# Altium PCB Pcb1.PcbDoc
Units mm, origin at the board's own origin, x right, y up, seen from the top; angles counter-clockwise.
Board outline 100 x 59 mm, 2 copper layers (Top Layer, Bottom Layer), stack 1.58 mm thick; 42 components, 56 nets, 197 pads, 11 vias.
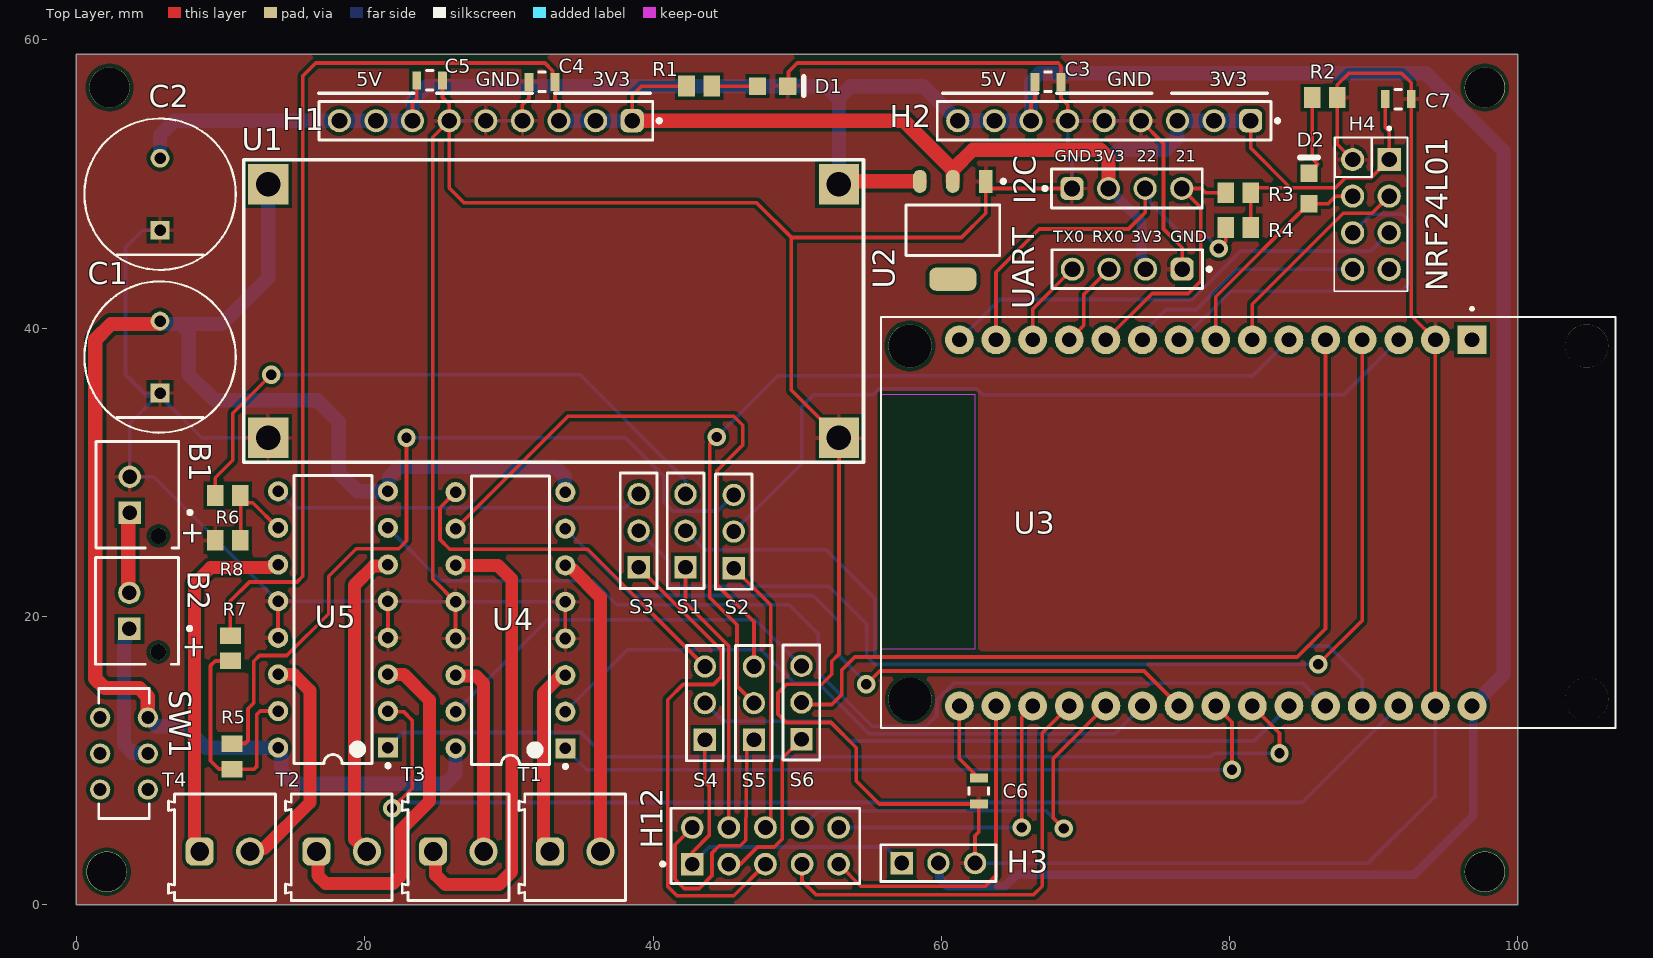
[diagram p0: Top Layer view]
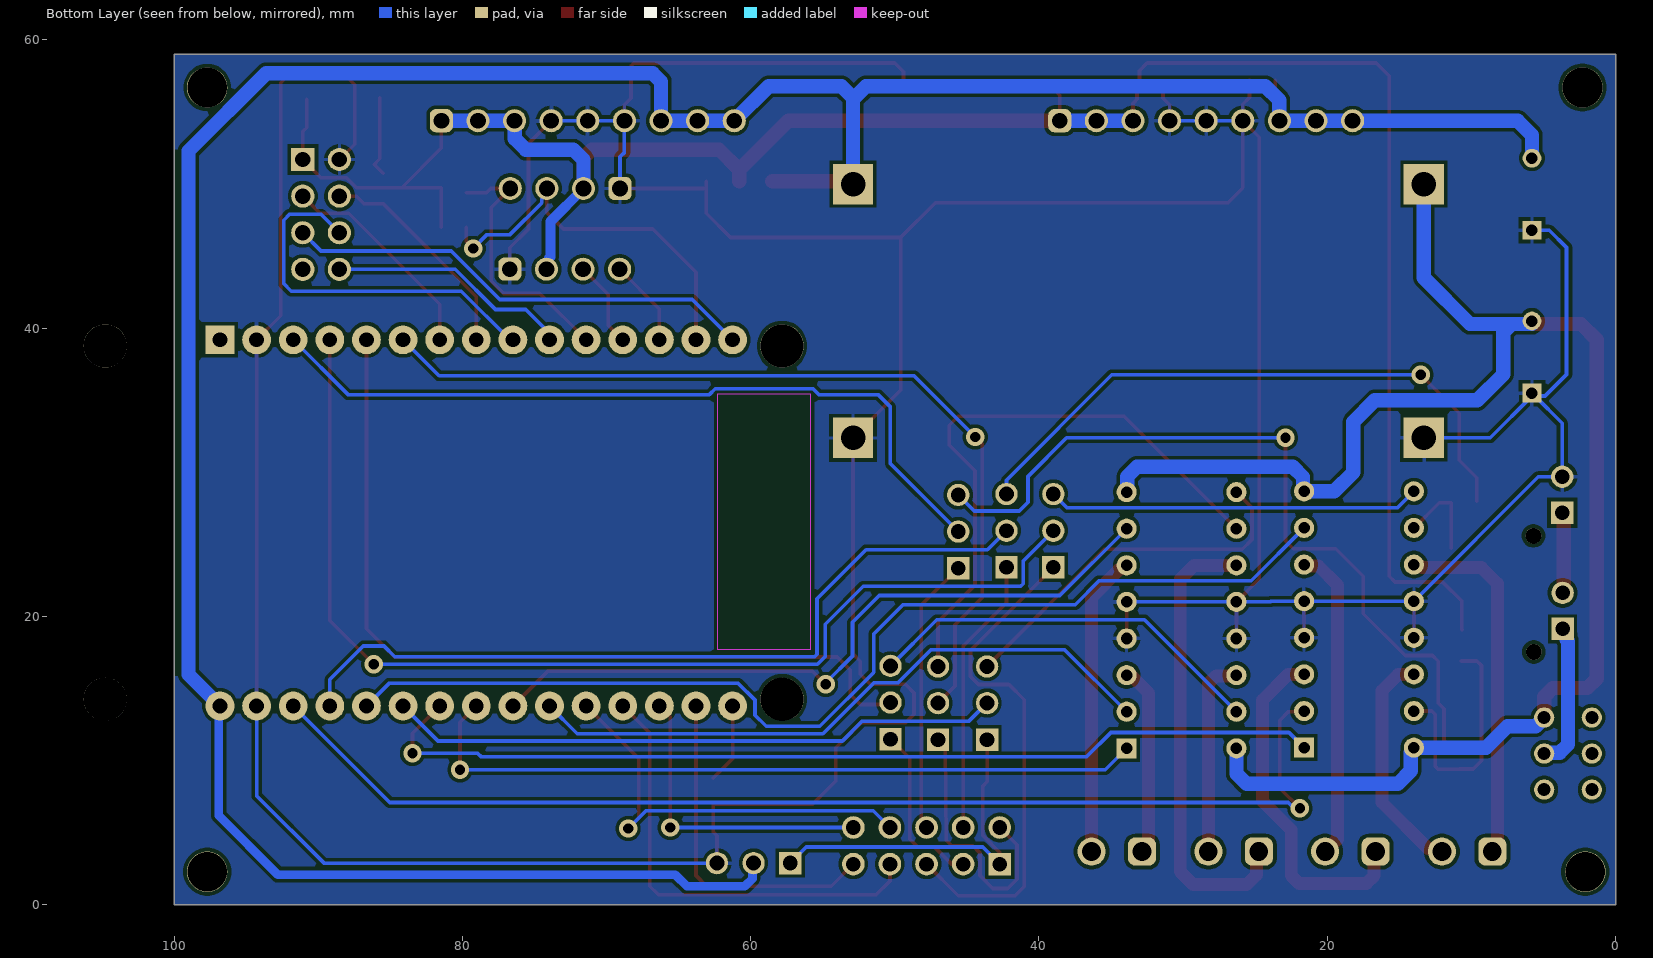
[diagram p1: Bottom Layer view, seen from below]
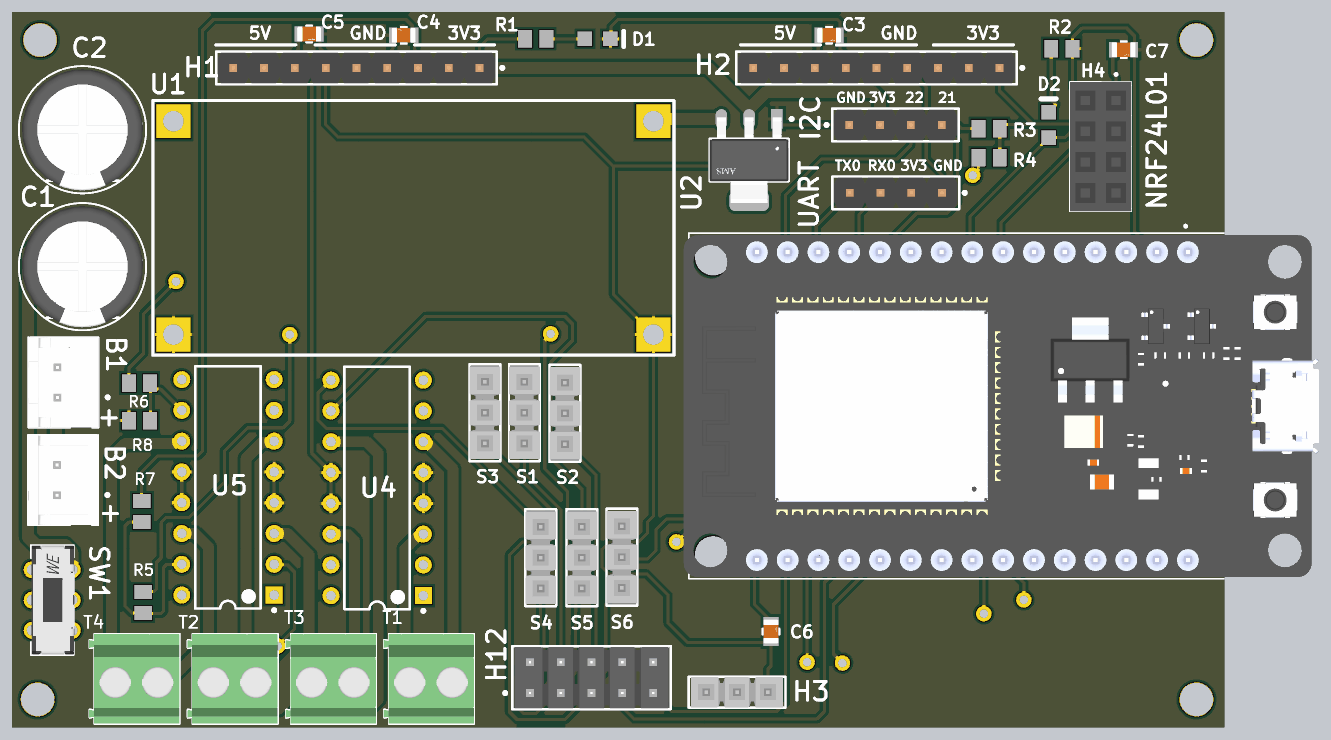
[diagram p2: 3D render of the assembled board from above, using the file's embedded part models]

## Layer stack, top to bottom
Top Solder: solder mask 0.0102, Solder Resist, Dk 3.5
Top Layer: signal copper 0.0356
Dielectric 1: dielectric 1.5086, FR-4, Dk 4.8
Bottom Layer: signal copper 0.0356
Bottom Solder: solder mask 0.0102, Solder Resist, Dk 3.5

## Board outline
0,0 100,0 100,59 0,59

## Design rules (kind name [scope] priority, off if disabled: settings)
Clearance Clearance_1 [All] p1: gap=0.254 ignorepadtopadclearanceinfootprint=FALSE
Clearance [All] p2: gap=0.254 ignorepadtopadclearanceinfootprint=FALSE
HoleSize [All] p1: absolutevalues=TRUE maxlimit=3.54 minlimit=0.025 maxpercent=80.000 minpercent=20.000
PolygonConnect [All] p1: connectstyle=Relief reliefconductorwidth=0.254 reliefentries=4 polygonreliefangle="90 Angle" airgapwidth=0.254
RoutingVias [All] p1: holewidth=0.711 width=1.27 viastyle="Through Hole" minholewidth=0.711 minwidth=1.27 maxholewidth=0.711 maxwidth=1.27
SilkToSilkClearance [All] p1: silktosilkclearance=0.204
SilkToSolderMaskClearance [IsPad] p1: minsilkscreentomaskgap=0.204 clearancetoexposedcopper=TRUE
SolderMaskExpansion [All] p1: expansion=0.102 istentingtop=FALSE
SupplyNets "Schematic Supply Nets_3" [InNet('GND')] p1: voltage=0.000
SupplyNets "Schematic Supply Nets_2" [InNet('+3.3')] p2: voltage=0.000
SupplyNets "Schematic Supply Nets_1" [InNet('+5')] p3: voltage=0.000
SupplyNets "Schematic Supply Nets" [InNet('VCC')] p4: voltage=0.000
Width [All] p1: maxlimit=1 minlimit=0.254 preferedwidth=0.254 minimp=50.000000 maximp=50.000000 favimp=50.000000
27 further rules are at their usual default settings.

## Components (designator, comment, footprint, x,y, rotation, side; value= is the part's Value field where it differs from the comment)
B1 "Battery1" FP-B2B-XH-AM_LF_SN-MFG 4.225,28.45 r270 top
B2 "Battery2" FP-B2B-XH-AM_LF_SN-MFG 4.2,20.396 r270 top
C1 "1000uf" FP-RAD-TH-D_10_0_5-L_16_1-MFG 5.8,38.004 r90 top
C2 "1000uf" FP-RAD-TH-D_10_0_5-L_16_1-MFG 5.8,49.3 r90 top
C3 "10uf" FP-GRM21B-0_1-MFG 67.4,57.1 r0 top
C4 "10uf" FP-GRM21B-0_1-MFG 32.3,57.1 r180 top
C5 "10uf" FP-GRM21B-0_1-MFG 24.5,57.2 r0 top
C6 "10uf" FP-GRM21B-0_1-MFG 62.6,7.9 r90 top
C7 "10uf" FP-GRM21B-0_1-MFG 91.7,55.9 r0 top
D1 "PWR" AVAG-HSMX-C170_V 48.3,56.8 r0 top
D2 "SIG" AVAG-HSMX-C170_V 85.5,49.7 r90 top
H1 "PWR" 61300911121 28.4,54.4 r180 top
H2 "PWR" 61300911121 71.3,54.4 r180 top
H3 "servo" SMTC-TSW-103-07-X-S 57.26,2.9 r0 top
H4 "NRF24L01" SULLINS_PPPC042LFBN-RC 89.8,47.9 r90 top
H12 "TSW-105-07-T-D" FP-TSW-105-07-T-D-MFG 47.8,4.1 r0 top
I2C "I2C" 61300411121 72.87,49.7 r0 top (schematic designator H5)
R1 "100R" RESC2013X70X40NL20T20 43.2,56.8 r0 top
R2 "100R" RESC2013X70X40NL20T20 86.6,56 r180 top
R3 "10K" RESC2013X70X40NL20T20 80.6,49.4 r0 top
R4 "10K" RESC2013X70X40NL20T20 80.6,47 r0 top
R5 "220R" RESC2013X70X40NL20T20 10.8,10.3 r270 top
R6 "220R" RESC2013X70X40NL20T20 10.5,28.4 r0 top
R7 "10K" RESC2013X70X40NL20T20 10.7,17.8 r90 top
R8 "10K" RESC2013X70X40NL20T20 10.5,25.3 r0 top
S1 "TSW-103-07-F-S" SMTC-TSW-103-07-X-S 42.256,23.42 r90 top
S2 "TSW-103-07-F-S" SMTC-TSW-103-07-X-S 45.6,23.36 r90 top
S3 "TSW-103-07-F-S" SMTC-TSW-103-07-X-S 39,23.42 r90 top
S4 "TSW-103-07-F-S" SMTC-TSW-103-07-X-S 43.6,11.46 r90 top
S5 "TSW-103-07-F-S" SMTC-TSW-103-07-X-S 47,11.46 r90 top
S6 "TSW-103-07-F-S" SMTC-TSW-103-07-X-S 50.3,11.5 r90 top
SW1 "452404020202" 452404020202 3.3,10.5 r90 top
T1 "Motor1" 691214110002 34.6,4 r0 top
T2 "Motor2" 691214110002 18.4,4 r0 top
T3 "Motor3" 691214110002 26.5,4 r0 top
T4 "Motor4" 691214110002 10.3,4 r0 top
U1 "LM2596" LM2596 54.6,51.7 r180 top
U2 "AMS1117-3.3" FP-AMS1117-IPC_A 60.8,46.8 r270 top
U3 "ESP32-DEVKIT-V1" MODULE_ESP32_DEVKIT_V1 81.3,26.5 r270 top
U4 "L293D" STM-L293D-16 30.11,19.75 r180 top
U5 "L293D" STM-L293D-16 17.8,19.8 r180 top
UART "UART" 61300411121 72.9,44.1 r180 top (schematic designator H6)

## Footprints (in the part's own frame and the unit in brackets; to place one, negate y for a bottom-side part, rotate by r counter-clockwise, add the part's x,y. Pads: shape width x height; smd on the part's side, far side on the other; paste and mask are expansions set on the pad)
61300411121 [mm] "Pin Header, pitch 2.54 mm, THT, Vertical, single row, 4p"
  rrect50% 1.6x1.6 hole 1.1: 1(-3.81,0)
  round 1.6 hole 1.1: 2(-1.27,0) 3(1.27,0) 4(3.81,0)
  silkscreen extent -5.8,-1.35 5.23,1.35, body extent -5.08,-1.27 5.08,1.27, height 8.57
61300911121 [mm] "Pin Header, pitch 2.54 mm, THT, Vertical, single row, 9p"
  rrect50% 1.6x1.6 hole 1.1: 1(-10.16,0)
  round 1.6 hole 1.1: 2(-7.62,0) 3(-5.08,0) 4(-2.54,0) 5(0,0) 6(2.54,0) 7(5.08,0) 8(7.62,0) 9(10.16,0)
  silkscreen extent -12.15,-1.35 11.58,1.34, body extent -11.43,-1.27 11.43,1.27, height 8.57
452404020202 [mm] "THT Mini Slide Switch, body 9x3.5mm"
  round 1.4 hole 0.9: 1(2.5,1.65) 2(0,1.65) 3(-2.5,1.65) 4(2.5,-1.65) 5(0,-1.65) 6(-2.5,-1.65)
  silkscreen extent -4.5,-1.75 4.5,1.75, body extent -4.5,-1.85 4.5,1.75, height 5.55
691214110002 [mm] "3.50 mm Horizontal Entry Modular, 2p"
  rrect50% 1.95x1.95 hole 1.3: 1(-1.75,-0.3)
  round 1.95 hole 1.3: 2(1.75,-0.3)
  silkscreen extent -3.9,-3.7 3.5,3.7, body extent -3.95,-3.7 3.5,3.7, height 8.55
AVAG-HSMX-C170_V [mm] "SMD, 2-Leads, Body 2x1.25mm, Height 0.8mm"
  rect 1.2x1.2 smd: 1(-1.05,0) 2(1.05,0)
  silkscreen extent 2.15,-0.62 2.15,0.63, body extent -1,-0.63 1,0.63, height 0.8
FP-AMS1117-IPC_A [mm]
  rect 1.604x0.952 smd paste+0 mask+0: 1(-3.395,2.29)
  rrect100% 1.604x0.952 smd paste+0 mask+0: 2(-3.395,0) 3(-3.395,-2.29)
  rrect59% 1.604x3.262 smd paste+0 mask+0: 4(3.395,0)
  silkscreen extent -3.52,-3.25 1.75,3.63, body extent -4.7,-3.75 4.7,3.75, height 0.25
FP-B2B-XH-AM_LF_SN-MFG [mm]
  rect 1.55x1.55 hole 1 paste-2539.97 mask+0: 1(1.25,-0.525)
  round 1.55 hole 1 paste-2539.97 mask+0: 2(-1.25,-0.525)
  round 1.1 hole 1.1 unplated paste-2539.97 mask+0: ""(2.85,1.475)
  silkscreen extent -3.7,-2.87 3.7,3.78, body extent -3.8,-2.98 3.8,2.98, height 0.25
FP-GRM21B-0_1-MFG [mm]
  rect 0.6x1.25 smd paste+0 mask+0: 1(-0.9,0) 2(0.9,0)
  silkscreen extent -0.22,-0.68 0.23,0.67, body extent -1.3,-0.77 1.3,0.77, height 0.25
FP-RAD-TH-D_10_0_5-L_16_1-MFG [mm]
  rect 1.3x1.3 hole 0.8 paste-2539.97 mask+0: 1(-2.5,0)
  round 1.3 hole 0.8 paste-2539.97 mask+0: 2(2.5,0)
  silkscreen extent -5.25,-5.25 5.25,5.25, body extent -5.35,-5.35 5.35,5.35, height 0.25
FP-TSW-105-07-T-D-MFG [mm]
  rect 1.57x1.57 hole 1.02 paste-2539.97 mask+0: 1(-5.08,-1.27)
  round 1.57 hole 1.02 paste-2539.97 mask+0: 2(-5.08,1.27) 3(-2.54,-1.27) 4(-2.54,1.27) 5(0,-1.27) 6(0,1.27) 7(2.54,-1.27) 8(2.54,1.27) 9(5.08,-1.27) 10(5.08,1.27)
  silkscreen extent -7.25,-2.61 6.54,2.6, body extent -6.64,-2.71 6.64,2.71, height 0.25
LM2596 [mm]
  rect 2.8x2.8 hole 1.7: 8(1.7,19.3) 8(1.7,1.7) 8(41.3,1.7) 8(41.3,19.3)
  silkscreen extent 0,0 43,21
MODULE_ESP32_DEVKIT_V1 [mm]
  rect 2x2 / inner round 2 / far side rect 2x2 hole 1.02: 1(-12.7,15.515)
  round 2 hole 1.02: 2(-12.7,12.975) 3(-12.7,10.435) 4(-12.7,7.895) 5(-12.7,5.355) 6(-12.7,2.815) 7(-12.7,0.275) 8(-12.7,-2.265) 9(-12.7,-4.805) 10(-12.7,-7.345) 11(-12.7,-9.885) 12(-12.7,-12.425) 13(-12.7,-14.965) 14(-12.7,-17.505) 15(-12.7,-20.045) 16(12.7,-20.045) 17(12.7,-17.505) 18(12.7,-14.965) 19(12.7,-12.425) 20(12.7,-9.885) 21(12.7,-7.345) 22(12.7,-4.805) 23(12.7,-2.265) 24(12.7,0.275) 25(12.7,2.815) 26(12.7,5.355) 27(12.7,7.895) 28(12.7,10.435) 29(12.7,12.975) 30(12.7,15.515)
  round 3 hole 3 unplated: ""(-12.28,23.475) ""(-12.28,-23.475) ""(12.23,23.475) ""(12.23,-23.475)
  Keep-Out Layer region: 8.78,-25.475 -8.91,-25.475 -8.91,-18.985 8.78,-18.985
  Keep-Out Layer region: 8.78,-25.475 -8.91,-25.475 -8.91,-18.985 8.78,-18.985
  silkscreen extent -14.95,-25.48 14.23,25.47, body extent -14.1,-25.9 14.1,26.55, height 7.05
RESC2013X70X40NL20T20 [mm] "Chip Resistor, 2-Leads, Body 2.00x1.25mm, IPC Medium Density"
  rect 1.15x1.45 smd: 1(-0.875,0) 2(0.875,0)
  body extent -1.1,-0.72 1.1,0.72, height 0.7
SMTC-TSW-103-07-X-S [mm] ".025 SQ Post Terminal Strip Assembly, 1x3 Pins, Vertical, 2.54mm Pitch, Male"
  rect 1.55x1.55 hole 1.02: 1(0,0)
  round 1.55 hole 1.02: 2(2.54,0) 3(5.08,0)
  silkscreen extent -1.46,-1.27 6.54,1.27, body extent -1.27,-1.27 6.35,1.27, height 8.38
STM-L293D-16 [mm] "DIP, 16-Leads, Body 20x6.85mm, Pitch 2.54mm"
  rect 1.4x1.4 hole 0.8: 1(-3.81,8.89)
  round 1.4 hole 0.8: 2(-3.81,6.35) 3(-3.81,3.81) 4(-3.81,1.27) 5(-3.81,-1.27) 6(-3.81,-3.81) 7(-3.81,-6.35) 8(-3.81,-8.89) 9(3.81,-8.89) 10(3.81,-6.35) 11(3.81,-3.81) 12(3.81,-1.27) 13(3.81,1.27) 14(3.81,3.81) 15(3.81,6.35) 16(3.81,8.89)
  silkscreen extent -3.94,-10 2.7,10.26, body extent -3.93,-10 3.93,10, height 5.1
SULLINS_PPPC042LFBN-RC [mm]
  rect 1.605x1.605 / inner round 1.605 / far side rect 1.605x1.605 hole 1.07: 1(3.81,-1.27)
  round 1.605 hole 1.07: 2(3.81,1.27) 3(1.27,-1.27) 4(1.27,1.27) 5(-1.27,-1.27) 6(-1.27,1.27) 7(-3.81,-1.27) 8(-3.81,1.27)
  silkscreen extent -5.33,-2.54 6.07,2.54, body extent -5.33,-2.54 5.33,2.54, height 8.51

## Part data
B1 B2: library part CMP-17439-000037-1, "CONN HEADER VERT 2POS 2.5MM", Color=Green, Contact Resistance=20mR, Housing Color=White, Max Current Rating=3A, Max Operating Temperature=85°C, Max Voltage Rating (AC)=250V, Min Operating Temperature=-25°C, Connector Type="Male Pin", Contact Material=Brass, Contact Plating=Tin, Contact Type="Male Pin", Depth=5.75mm, Fastening Type=Detent, Housing Material=Polyamide, Lead Free="Lead Free", Length=7.4mm, Mount="Through Hole", Number of Positions=2, Number of Rows=1, Orientation=Straight, Packaging=Bulk, Pitch=2.5mm, Series=XH, Termination=Solder
C1 C2: library part CMP-05427-001524-1, "Aluminum Electrolytic Capacitors (Radial Lead Type) 1000uF ±20% 16V", Capacitance=1mF, Case/Package=Radial, Leakage Current=3uA, Max Operating Temperature=85°C, Min Operating Temperature=-40°C, Package Quantity=200, Ripple Current=680mA, Tolerance=20%, Voltage=16V, Construction=RADIAL, Contact Plating=Tin, Diameter=10mm, Dissipation Factor=0.2%, Height=16mm, Height - Seated (Max)=0.669inch, Lead Diameter=0.6mm, Lead Pitch=5mm, Lead/Base Style=Straight, Length=16mm, Life (Hours)=2000Hour, Mount="Through Hole", Number of Pins=2, Packaging=Bulk, Polarity=Polar, Radiation Hardening=No, REACH SVHC="No SVHC", Ripple Current (AC)=680mA, RoHS Compliant=Yes, Series=M, Size=16mm, Termination=Radial, Voltage Rating=16V, Voltage Rating (DC)=16V, Width=0inch
C3 C4 C5 C6 C7: library part CMP-2007-03453-2, "Chip Multilayer Ceramic Capacitors for General Purpose, 0805, 10uF, X5R, 15%, 10%, 16V", Capacitance=10uF, Case Code (Imperial)=0805, Case Code (Metric)=2012, Dielectric=X5R, Max Operating Temperature=85°C, Min Operating Temperature=-55°C, Package Quantity=1, Tolerance=10%, Voltage=16V, Case/Package=0805, Depth=1.25mm, Height=1.25mm, Lead Free="Lead Free", Length=2mm, Material=Ceramic, Mount="Surface Mount", Packaging="Tape and Reel", Radiation Hardening=No, REACH SVHC="No SVHC", Termination=SMD/SMT, Thickness=0.053inch, Voltage Rating=16V, Voltage Rating (DC)=16V, Width=1.25mm
D1 D2: library part CMP-2000-05062-1, "Chip LED, Green, 2.2 V, -40 to 85 degC, 2-Pin SMD, Pb-Free, Tape and Reel", Forward Current If=20mA, Forward Voltage=2.2V, Forward Voltage VF Max=2.6V, LED Colour=Green, Manufacturer=Avago, Operating Temperature Max=85degC, Operating Temperature Min=-30degC, Operating Temperature Range=-30degCto+85degC, Opto Case Style=SMD, Package Description="2-Pin Surface Mount Device, Body 2 x 1.25 mm, Height 0.8 mm", Package Reference=HSMX-C170, Storage Temperature Min=-40degC, Bulb Size=1.25mmx1.4mm, Datasheet URL=https://datasheet.ciiva.com/29280/180495-da-01-en-chip-led-hsmg-c170-gelb-gruen-29280971.pdf, Datasheet Version=Oct-08, Dominant Wavelength=572nm, Dominant Wavelength Typ=572nm, External Depth=0.8mm, External Length / Height=2mm, External Width=1.25mm, Forward Current If Max=20mA, LED Mounting=SMD, LED Type=Standard, Lens Shape=Rectangular, Light Area Height=1mm, Luminous Intensity=15mcd, Luminous Intensity Min=4mcd, Luminous Intensity Typ=15mcd, Manufacturer URL=http://www.avagotech.com/, Mounting Type=SMD, MSL=MSL2A-4weeks, No. of Pins=2, Opto Mounting Orientation=Top, Packaging=CutTape, Peak Forward Current=20mA, Peak Wavelength=570nm, PIV Max=5V, Storage Temperature Max=85degC, SVHC=NoSVHC(16-Jun-2014), Viewing Angle=170deg, Voltage Vf Typ=2.2V, Wavelength Typ=570nm
H1 H2: library part CMP-1502-01080-3, Color=Black, Contact Resistance=20mΩ, Current Rating=3A, Operating Supply Voltage=250V, Connector Type="Male Pin", Contact Material=Copper, Contact Mating Length=5.9944mm, Contact Plating=Gold, Gender=Male, Lead Pitch=2.54mm, Mount="Through Hole", NexarPartId=32855536, Number of Contacts=9, Number of Pins=9, Number of Positions=9, Number of Rows=1, Orientation=Vertical, Packaging=Bulk, Pitch=2.54mm, REACH SVHC=Unknown, RoHS=Compliant, Termination=Solder
H3: library part CMP-1024-00331-1, "0.025\" SQ Post Header, Through-hole, Vertical, -55 to 125 degC, 2.54 mm Pitch, 3-Pin, Male, RoHS", Manufacturer=Samtec, PartNumber=TSW-103-07-F-S, Temperature Range="-55 to 125 degC", ComponentLink1Description="Manufacturer URL", ComponentLink1URL=http://www.samtec.com, ComponentLink2Description=Datasheet, ComponentLink2URL=http://www.samtec.com/documents/webfiles/pdf/TSW_TH.PDF, ComponentLink3Description="Package Specification", ComponentLink3URL=http://www.samtec.com/documents/webfiles/cpdf/TSW-XXX-XX-XXX-X-XX-XXX-MKT.pdf, DatasheetVersion=F-214, Mounting Technology=Through-hole, Orientation=Vertical, PackageDescription=".025[0.64] SQ. Post Terminal Strip Assembly", PackageReference=TSW-103-07-X-S, PackageVersion="DM, 8/1988", Pitch="2.54 mm", RoHS=True
H4: library part PPPC042LFBN-RC, "8 Position Total Dual Row 2.54 mm Pitch Straight Female Header", Package=None, Check_prices=https://www.snapeda.com/parts/PPPC042LFBNRC/Sullins/view-part/?ref=eda, MF="Sullins Connector Solutions", MP=PPPC042LFBNRC, SnapEDA_Link=https://www.snapeda.com/parts/PPPC042LFBNRC/Sullins/view-part/?ref=snap
H12: library part CMP-00575-00272450-1, "TSW-105-07-T-D Conn Unshrouded Header HDR 10 POS 2.54mm Solder ST Thru-Hole Automotive Bulk", Color=Black, Manufacturer Lifecycle Status=PRODUCTION, Max Current Rating=7.6A, Max Operating Temperature=105°C, Max Voltage Rating (AC)=550V, Min Operating Temperature=-55°C, Connector Type="Male Pin", Contact Material="Bronze, Nickel, Tin", Contact Mating Length=5.842mm, Contact Plating=Tin, Depth=5.08mm, Gender=Male, Height=8.71mm, Housing Color=Black, Housing Material=Polyester, Lead Free="Lead Free", Lead Pitch=2.54mm, Length=12.7mm, Lifecycle Status=Production, Mount="Through Hole", NexarPartId=272450, Number of Contacts=10, Number of Pins=10, Number of Positions=10, Number of Rows=2, Orientation=Straight, Packaging=Bulk, Pitch=2.54mm, Radiation Hardening=No, REACH SVHC="No SVHC", RoHS=Compliant, Row Spacing=2.54mm, Termination=Solder, Width=5.08mm
I2C UART: library part CMP-1502-01064-3, Color=Black, Contact Resistance=20mΩ, Current Rating=3A, Max Operating Temperature=105°C, Min Operating Temperature=-40°C, Operating Supply Voltage=250V, Connector Type="Male Pin", Contact Material=Copper, Contact Mating Length=5.9944mm, Contact Plating=Gold, Gender=Male, Height=8.89mm, Lead Free="Lead Free", Lead Pitch=2.54mm, Mount="Through Hole", NexarPartId=32855522, Number of Contacts=4, Number of Pins=4, Number of Positions=4, Number of Rows=1, Orientation=Vertical, Packaging=Bulk, Pitch=2.54mm, REACH SVHC=Unknown, RoHS=Compliant, Termination=Solder, Voltage Rating=250V
R1 R2 R5 R6: library part CMP-2001-00532-1, Manufacturer=Panasonic, Part Number=ERJ6ENF3300V
R3 R4 R7 R8: library part CMP-2001-04376-1, Manufacturer=Panasonic, Part Number=ERJ-6ENF1002V
S1 S2 S3 S4 S5 S6: library part CMP-1024-00331-1, "0.025\" SQ Post Header, Through-hole, Vertical, -55 to 125 degC, 2.54 mm Pitch, 3-Pin, Male, RoHS", Manufacturer=Samtec, Temperature Range="-55 to 125 degC", ComponentLink1Description="Manufacturer URL", ComponentLink1URL=http://www.samtec.com, ComponentLink2Description=Datasheet, ComponentLink2URL=http://www.samtec.com/documents/webfiles/pdf/TSW_TH.PDF, ComponentLink3Description="Package Specification", ComponentLink3URL=http://www.samtec.com/documents/webfiles/cpdf/TSW-XXX-XX-XXX-X-XX-XXX-MKT.pdf, DatasheetVersion=F-214, Mounting Technology=Through-hole, Orientation=Vertical, PackageDescription=".025[0.64] SQ. Post Terminal Strip Assembly", PackageReference=TSW-103-07-X-S, PackageVersion="DM, 8/1988", PartNumber=TSW-103-07-F-S, Pitch="2.54 mm", RoHS=True
SW1: library part CMP-03913-99472345-1, "452404020202 Slide Switch, Dpdt, 0.3A, 6Vdc, Tht Rohs Compliant: Yes", Current Rating=300mA, Insulation Resistance=100MΩ, Max Operating Temperature=85°C, Min Operating Temperature=-40°C, Voltage Rating=6V, Contact Plating=Silver, NexarPartId=99472345, Packaging=Bulk
T1 T2 T3 T4: library part CMP-1502-02464-2, Color="Blue, Green", Current=10A, Max Operating Temperature=105°C, Min Operating Temperature=-40°C, Voltage=300V, Contact Material=Brass, Contact Plating="Brass, Tin", Current Rating=10A, Height=8.7mm, Housing Material=Nylon, Lead Pitch=3.5mm, Length=7.4mm, Mount="Through Hole", NexarPartId=18818288, Number of Contacts=2, Number of Levels=1, Number of Pins=2, Number of Positions Per Level=2, Number of Rows=1, Packaging=Box, Pitch=3.5052mm, Plating="Brass, Steel", REACH SVHC=Unknown, RoHS=Compliant, Stripping Length=-6mm, Termination=Screw, Voltage Rating=300V, Width=7.9mm, Wire Gauge (Max)=24AWG, Wire Gauge (Min)=16AWG, Wire/Cable Gauge=24AWG
U2: library part CMP-209535-000001-1, "LDO Voltage Regulators 1A, 3.3V", Dropout Voltage=1.1V, Manufacturer="Advanced Monolithic Systems", Max Junction Temp=+125°C, Max Power Dissipation=1.2W, Max Supply Voltage=15V, Nominal Supply Current=5mA, Output Current=1A, Output Voltage=3.3V, Package=AMS1117, Temperature="-40°C to +125°C", Temperature Range Low=-40°C, Automotive=No, Category=IC, ComponentLink2Description=Datasheet, ComponentLink2URL=http://www.advanced-monolithic.com/pdf/ds1117.pdf, Device Class L1="Integrated Circuits (ICs)", Device Class L2="Power Management ICs", Device Class L3="Voltage Regulators - Linear", Height=1.8mm, Ipc Land Pattern Name=SOT229P700X180-4, Lead Free=Yes, Manufacturer Part Number=AMS1117-3.3, Number Of Outputs=1, Octopart=https://octopart.com/ams1117-3.3-advanced+monolithic+systems-25899300, Output Type=Fixed, RoHS=TRUE, Standoff Height=0.64mm, Temperature Range High=+125°C
U3: "Dual core, Wi-Fi: 2.4 GHz up to 150 Mbits/s,BLE (Bluetooth Low Energy) and legacy Bluetooth, 32 bits, Up to 240 MHz", Package=None, Check_prices=https://www.snapeda.com/parts/ESP32-DEVKIT-V1/Do+it/view-part/?ref=eda, MF="Do it", MP=ESP32-DEVKIT-V1, SnapEDA_Link=https://www.snapeda.com/parts/ESP32-DEVKIT-V1/Do+it/view-part/?ref=snap
U4 U5: library part CMP-2000-06524-1, "Push-Pull Four Channel Driver with Diode, 4.5 to 36 V, -40 to 150 degC, 16-Pin PDIP, RoHS, Tube", Current - Output / Channel=600mA, Current - Peak Output=1.2A, Manufacturer=STMicroelectronics, On-State Resistance=-, Operating Temperature=-40°C~150°C, Package / Case="16-DIP(0.300\",7.62mm)", Package Description="16-Pin Thru-Hole Dual-In-Line, Body 20 x 6.85 mm, Pitch 2.54 mm", Package Reference=DIP-16, Standard Package=25, Supplier Device Package=16-PowerDIP, Voltage - Supply=4.5V~36V, Category=IntegratedCircuits(ICs), Datasheet URL=http://www.st.com/st-web-ui/static/active/en/resource/technical/document/datasheet/CD00000059.pdf, Datasheet Version=07/2003, Dynamic Catalog=HalfBridge, Family=PMIC-MOSFET,BridgeDrivers-InternalSwitch, Input Type=Non-Inverting, Manufacturer URL=http://www.st.com/, Mounting Technology=ThroughHole, Mounting Type=ThroughHole, Number Of Outputs=4, Other Names=497-2936-5, Other Related Documents=L293DViewAllSpecifications, Packaging=Tube, PartNumber=L293D, Series=-, Type=HalfBridge

## Free pads (board coordinates)
  round 2.8 hole 2.75: ""(2.1,2.3) ""(2.3,56.7) ""(97.7,2.3) ""(97.7,56.7)

## Via types
v1: diameter 1.27, hole 0.711, Top Layer to Bottom Layer, 11 vias

## Nets (pads, with @x,y where several pads share a name; then routed paths per layer and width w, separated by ;. In a path a pad name is that pad's centre, name@x,y a point inside that pad or via, vN(x,y) a via of type N, cw(c..) or ccw(c..) an arc to the next point about the centre after c; other vN are vias at no path point)
+3.3: C4.1 C7.1 H1.1 H1.2 H1.3 H2.1 H2.2 H2.3 H4.1 I2C.2 R1.1 R3.2 R4.2 R7.2 U2.2 UART.2 | length 156.2
  Top Layer w0.254: R7.2@10.654,19.1 10.677,19.123 10.677,21.077 12,22.4 15.3,22.4 15.7,22.8 15.7,57.5 16.6,58.4 32.5,58.4 33.027,57.873 33.027,57.273 C4.1 33.2,55.881 33.48,55.601 H1.3 ; H1.1 38.56,56.16 39.2,56.8 R1.1 ; H2.1 81.46,52.5 84.201,49.759 ; R4.2 R3.2 81.473,49.742 84.201,49.759 ; C7.1 90.8,53.915 91.07,53.645 H4.1 89.804,50.444 88.036,50.444 87.351,49.759 84.201,49.759
  Top Layer w0.7: UART.2@73.998,44.272 UART.2
  Top Layer w1: H1.1 57.4,54.4 60.8,51 ; U2.2 60.8,51 ; I2C.2 71.6,51.814 71.014,52.4 62.2,52.4 60.8,51
  Bottom Layer w0.7: I2C.2 73.9,47.4 73.9,44.96 UART.2@73.998,44.862
  Bottom Layer w1: H1.3 H1.2 H1.1 ; I2C.2 71.6,51.7 72.3,52.4 75.6,52.4 76.364,53.164 76.364,54.384 H2.3 ; H2.3@76.218,54.4 H2.1
+5: C2.2 C3.1 C5.1 H1.7 H1.8 H1.9 H2.7 H2.8 H2.9 H3.2 U1.8@52.9,50 U2.3 U3.30 | length 208.4
  Top Layer w0.254: H1.7 23.32,55.651 23.6,55.931 C5.1 ; H2.7 66.22,55.601 66.5,55.881 C3.1
  Top Layer w1: U1.8@53.095,50.195 U2.3
  Bottom Layer w0.5: H3.2 H3.2@59.878,2.822
  Bottom Layer w0.6: H3.2@59.878,2.822 59.878,1.822 60.405,1.295 64.421,1.295 65.225,2.1 92.8,2.1 96.9,6.2 96.9,13.715 U3.30
  Bottom Layer w1: C2.2 5.8,53.4 6.8,54.4 H1.9 H1.8 H1.7 23.32,55.82 24.3,56.8 52,56.8 52.9,55.9 ; U1.8@52.9,50 52.9,55.9 ; H2.9@61.094,54.446 58.74,56.8 53.7,56.8 52.9,56 52.9,55.9 ; H2.9 H2.7 66.22,57.114 66.806,57.7 93.6,57.7 99,52.3 99,15.985 U3.30
GND: B1.2 C1.1 C2.1 C3.2 C4.2 C5.2 C6.1 C7.2 D1.2 H1.4 H1.5 H1.6 H2.4 H2.5 H2.6 H3.3 H4.2 I2C.1 R2.1 R8.1 U1.8@13.3,32.4 U1.8@52.9,32.4 U2.1 U3.2 U3.29 U4.4 U4.5 U4.12 U4.13 U5.4 U5.5 U5.12 U5.13 UART.1 | length 372
  Top Layer w0.254: U5.13 U5.12 ; U5.4 U5.5 ; C5.2 25.4,56.01 25.86,55.55 H1.6 ; U4.13 U4.12 24.711,22.609 24.711,53.251 H1.6 ; H1.4 30.94,55.499 31.4,55.959 C4.2 ; U4.4 U4.5 ; D1.2@49.4,56.85 49.4,57.8 50,58.4 68.1,58.4 68.249,58.251 68.294,58.204 68.3,58.1 C3.2 68.3,55.959 68.76,55.499 H2.6 ; H3.3 62.34,4.801 62.6,5.061 C6.1 55.7,7 54.1,8.6 54.1,10.9 52.344,12.656 49.244,12.656 48.666,13.234 48.666,14.7 49.266,15.3 51.7,15.3 52.4,16 52.4,16.9 52.9,17.4 52.9,32.4 49.6,35.7 49.6,46.3 ; U2.1 63.09,47.99 61.4,46.3 49.6,46.3 ; U2.1@63.2,49.7 I2C.1 ; H2.4 75.413,52.827 75.413,46.888 76.71,45.591 UART.1 ; H4.2 87.475,52.765 R2.1 87.475,56.896 88.262,57.683 91.948,57.683 92.6,57.031 C7.2 92.6,40.875 U3.2 U3.29 ; H1.6 25.86,49.74 26.9,48.7 47.2,48.7 49.6,46.3
  Bottom Layer w0.254: C1.1@5.8,35.3 8.7,32.4 U1.8@13.3,32.4 ; C1.1 C1.1@5.596,35.3 ; C2.1 4.6,46.8 3.4,45.6 3.4,36.8 4.9,35.3 C1.1@5.596,35.3 ; H1.6 H1.5 H1.4 ; U4.5 U4.12 23.977,21.02 23.927,21.07 U5.5 U5.12 5.36,29.7 B1.2 3.7,33.404 C1.1@5.596,35.3 ; H3.3 89.6,2.9 94.275,7.575 U3.29 ; I2C.1 69.06,51.892 68.76,52.192 H2.6 H2.4
NetB1_1: B1.1 B2.2 | length 5.6
  Top Layer w1: B1.1@3.6,27.2 3.6,21.725 B2.2@3.675,21.65
NetB2_1: B2.1 SW1.5 | length 10.1
  Bottom Layer w1: B2.1@3.675,19.15 3.4,18.875 3.4,18.389 3.3,18.289 3.3,11.133 3.886,10.547 4.903,10.547 SW1.5
NetC6_2: C6.2 U3.16 | length 5.6
  Top Layer w0.254: U3.16 61.255,10.145 C6.2
NetD1_1: D1.1 R1.2 | length 3.2
  Top Layer w0.254: R1.2 D1.1
NetD2_1: D2.1 H4.4 U3.8 | length 15.4
  Top Layer w0.254: U3.8 79.035,42.185 D2.1 86.838,48.65 87.358,49.17 H4.4
NetD2_2: D2.2 R2.2 | length 5.7
  Top Layer w0.254: D2.2 86.121,51.371 85.725,51.766 R2.2
NetH3_1: H3.1 H12.1 S4.1 | length 24.7
  Top Layer w0.254: H12.1 42.72,3.638 43.891,4.809 43.891,8.255 43.6,8.546 S4.1
  Bottom Layer w0.254: H12.1 43.903,4.013 56.147,4.013 H3.1
NetH4_3: H4.3 U3.7 | length 15.1
  Top Layer w0.254: U3.7 81.575,41.672 87.884,47.981 89.881,47.981 H4.3
NetH4_5: H4.5 U3.15 | length 32.9
  Bottom Layer w0.254: U3.15 64.055,42 77.4,42 80.764,45.364 89.804,45.364 H4.5
NetH4_6: H4.6 U3.9 | length 26.5
  Bottom Layer w0.254: U3.9 76.7,39.2 80.07,42.57 91.87,42.57 92.4,43.1 92.4,47.5 91.996,47.904 89.804,47.904 H4.6
NetH4_8: H4.8 U3.10 | length 16.9
  Bottom Layer w0.254: U3.10 73.955,39.655 75.6,41.3 77.7,41.3 80.49,44.09 H4.8
NetH5_3: I2C.3 R4.1 U3.14 | length 27.3
  Top Layer w0.254: U3.14 63.795,43.895 66.788,46.888 72.988,46.888 74.14,48.04 I2C.3 ; v1(79.248,45.542) 79.725,46.019 R4.1
  Bottom Layer w0.254: I2C.3 74.14,49.336 74.501,48.975 74.501,48.699 76.7,46.5 78.29,46.5 v1(79.248,45.542)
NetH5_4: I2C.4 R3.1 U3.11 | length 18.4
  Top Layer w0.254: U3.11 74.626,42.411 77.133,42.411 78,43.278 78,48.38 I2C.4 78.029,49.7 78.329,49.4 R3.1
NetH6_3: U3.12 UART.3 | length 6
  Top Layer w0.254: U3.12 69.875,40.2 69.875,42.345 UART.3
NetH6_4: U3.13 UART.4 | length 6
  Top Layer w0.254: U3.13 66.335,41.345 UART.4
NetH12_2: H12.2 S5.1 | length 18.7
  Top Layer w0.254: H12.2 41.529,4.179 41.529,1.778 42.164,1.143 43.205,1.143 44.094,2.032 44.094,3.594 44.6,4.1 46.052,4.1 46.434,4.483 46.506,10.812 S5.1
NetH12_3: H12.3 S6.1 | length 11.9
  Top Layer w0.254: H12.3 46.068,2.83 47.251,4.013 48.412,4.013 48.971,4.572 48.971,10.171 S6.1
NetH12_4: H12.4 S1.1 | length 19.3
  Top Layer w0.254: S1.1 42.256,20.958 45.264,17.95 45.264,14.876 45.26,14.872 H12.4
NetH12_5: H12.5 S3.1 | length 35.3
  Top Layer w0.254: S3.1 44.756,17.664 44.756,15.851 44.196,15.291 42.088,15.291 41.021,14.224 41.021,1.27 41.656,0.635 45.605,0.635 H12.5
NetH12_6: H12.6 S2.1 | length 19.2
  Top Layer w0.254: S2.1 48.158,20.802 48.158,5.728 H12.6
NetH12_7: H12.7 U3.19 | length 31.8
  Top Layer w0.254: H12.7 50.34,1.66 51.3,0.7 66.403,0.7 67,1.297 67,11.925 U3.19
NetH12_8: H12.8 U3.20 | length 29.5
  Top Layer w0.254: v1(68.5,5.3) 67.767,6.033 67.767,10.152 U3.20
  Bottom Layer w0.254: H12.8 51.506,6.536 67.264,6.536 v1(68.5,5.3)
NetH12_9: H12.9 U3.17 | length 23.6
  Top Layer w0.254: H12.9 54.415,1.295 63.058,1.295 63.795,2.032 U3.17
NetH12_10: H12.10 U3.18 | length 21.4
  Top Layer w0.254: v1(65.583,5.37) 65.583,13.048 U3.18
  Bottom Layer w0.254: H12.10 v1(65.583,5.37)
NetR5_1: R5.1 S2.3 | length 55.9
  Top Layer w0.254: R5.1 10.825,11.2 11.7,11.2 11.9,11.4 11.9,13.6 12.3,14 12.3,16.9 12.7,17.3 14.6,17.3 17.5,20.2 17.5,22.8 19.414,24.714 22.352,24.714 22.9,25.262 v1(22.9,32.4)
  Bottom Layer w0.254: v1(22.9,32.4) 38.085,32.4 40.767,29.718 40.767,27.94 41.377,27.33 44.49,27.33 S2.3
NetR5_2: R5.2 R7.1 U5.15 | length 16.9
  Top Layer w0.254: R7.1 9.625,16.925 9.3,16.6 9.3,10 9.875,9.425 R5.2 10.825,9.4 12.3,9.4 12.5,9.6 12.5,13.2 12.75,13.45 U5.15
NetR6_1: R6.1 S1.3 | length 43.1
  Top Layer w0.254: R6.1@9.625,28 9.625,29.625 10.846,30.846 10.846,34.112 v1(13.513,36.779)
  Bottom Layer w0.254: v1(13.513,36.779) 34.945,36.779 42.256,29.468 S1.3
NetR6_2: R6.2 R8.2 U5.10 | length 6.5
  Top Layer w0.254: R8.2@11.4,24.744 11.4,27.9 12.24,27.9 U5.10
NetS1_2: S1.2 U3.27 | length 55.9
  Bottom Layer w0.254: S1.2 43.578,24.638 51.994,24.638 55.396,21.235 55.396,17.388 55.563,17.221 84.7,17.221 85.437,17.958 86.868,17.958 89.195,15.631 U3.27
NetS2_2: S2.2 U3.3 | length 54.3
  Bottom Layer w0.254: S2.2 50.307,30.607 50.307,34.544 51.163,35.4 55.276,35.4 55.676,35.8 62.464,35.8 62.864,35.4 87.935,35.4 U3.3
NetS3_2: S3.2 U3.4 | length 77
  Top Layer w0.254: v1(86.157,16.688) 89.195,19.726 U3.4
  Bottom Layer w0.254: S3.2 41.1,23.86 41.1,22.276 41.278,22.098 52.197,22.098 54.829,19.466 54.829,17.231 55.372,16.688 v1(86.157,16.688)
NetS3_3: S3.3 U5.9 | length 25.9
  Bottom Layer w0.254: U5.9 15.121,27.559 38.059,27.559 S3.3
NetS4_2: S4.2 U3.25 | length 42.6
  Bottom Layer w0.254: S4.2 44.849,12.751 52.259,12.751 53.637,11.373 81.688,11.373 U3.25
NetS4_3: S4.3 U4.9 | length 25.8
  Top Layer w0.254: U4.9 25.219,27.559 25.219,25.352 25.908,24.663 35.477,24.663 S4.3
NetS5_2: S5.2 U3.6 | length 62.4
  Top Layer w0.254: v1(44.425,32.461) 43.936,31.973 43.936,21.321 45.822,19.435 45.822,15.178 S5.2
  Bottom Layer w0.254: v1(44.425,32.461) 48.663,36.7 81.615,36.7 U3.6
NetS5_3: S5.3 U4.10 | length 41.9
  Top Layer w0.254: U4.10 34.1,33.9 45.6,33.9 46.228,33.272 46.228,31.902 44.444,30.118 44.444,22.2 47,19.644 S5.3
NetS6_2: S6.2 U3.5 | length 59.6
  Top Layer w0.254: S6.2 50.44,13.9 52.4,13.9 53.1,14.6 53.1,16.3 54,17.2 84.7,17.2 86.655,19.155 U3.5
NetS6_3: S6.3 U4.15 | length 28
  Bottom Layer w0.254: U4.15 32.687,19.787 47.093,19.787 S6.3
NetT1_1: T1.1 U4.3 | length 13.4
  Top Layer w0.6: U4.3@33.767,15.787 U4.3
  Top Layer w0.9: T1.1 32.4,4.15 32.4,14.713 33.532,15.844 33.71,15.844 U4.3@33.767,15.787
  Bottom Layer w0.254: T1.1 32.85,3.75 T1.1@32.9,3.8
NetT1_2: T1.2 U4.6 | length 21
  Top Layer w0.6: U4.6 U4.6@34.032,23.448
  Top Layer w0.9: U4.6@34.032,23.448 34.049,23.464 34.151,23.464 34.305,23.31 34.39,23.31 36.35,21.35 T1.2
NetT2_1: T2.1 U5.3 | length 24.5
  Top Layer w0.9: T2.1 16.751,3.599 16.751,2.027 17.278,1.5 21.973,1.5 22.5,2.027 22.5,5.2 24.5,7.2 24.5,14.2 22.71,15.99 U5.3
NetT2_2: T2.2 U5.6 | length 21.7
  Top Layer w0.9: T2.2 19.3,4.55 19.3,22.2 20.614,23.514 21.514,23.514 U5.6
NetT3_1: T3.1 U4.11 | length 32.2
  Top Layer w0.9: T3.1 24.912,3.538 24.912,2.088 25.6,1.4 29.3,1.4 30.2,2.3 30.2,22.6 29.24,23.56 U4.11
NetT3_2: T3.2 U4.14 | length 13.9
  Top Layer w0.6: U4.14 U4.14@26.351,15.889
  Top Layer w0.9: U4.14@26.351,15.889 27.723,15.889 28.25,15.361 T3.2
NetT4_1: T4.1 U5.11 | length 25.1
  Top Layer w0.9: T4.1@8.2,3.569 8.2,22.3 9.3,23.4 13.426,23.4 13.541,23.514 13.894,23.514 U5.11
NetT4_2: T4.2 U5.14 | length 16
  Top Layer w0.9: T4.2 12.251,3.901 13.001,3.901 16.2,7.1 16.2,14.861 15.08,15.981 13.999,15.981 U5.14
NetU3_21: U3.21 U4.2 | length 45
  Bottom Layer w0.254: U4.2 38.224,17.704 47.498,17.704 49.784,15.418 51.453,15.418 54.99,11.881 72.036,11.881 U3.21
NetU3_22: U3.22 U4.7 | length 49.9
  Top Layer w0.254: v1(54.8,15.3) 55.731,16.231 74.064,16.231 U3.22
  Bottom Layer w0.254: U4.7 38.557,21.463 51.079,21.463 52.934,19.609 52.934,17.272 54.8,15.406 v1(54.8,15.3)
NetU3_23: U3.23 U4.1 | length 51.8
  Top Layer w0.254: U3.23 80.162,12.673 v1(80.162,9.373)
  Bottom Layer w0.254: U4.1 35.407,9.373 v1(80.162,9.373)
NetU3_24: U3.24 U5.1 | length 67.1
  Top Layer w0.254: U3.24 83.464,11.911 v1(83.464,10.516)
  Bottom Layer w0.254: U5.1 22.663,11.963 35.001,11.963 36.678,10.287 78.715,10.287 78.943,10.516 v1(83.464,10.516)
NetU3_26: U3.26 U5.7 | length 74.8
  Bottom Layer w0.254: U5.7 25.281,22.479 35.839,22.479 37.49,20.828 49.428,20.828 51.46,18.796 51.46,16.129 55.2,12.389 58.928,12.389 59.7,13.161 59.7,14.12 ccw(c57.825,14.27) 59.705,14.214 60.858,15.367 85.088,15.367 U3.26
NetU3_28: U3.28 U5.2 | length 81.4
  Top Layer w0.254: U5.2 21.651,13.409 22.691,13.409 23.3,12.8 23.3,8.1 v1(21.9,6.7)
  Bottom Layer w0.254: v1(21.9,6.7) 22.094,6.894 22.494,6.894 22.7,7.1 85.035,7.1 U3.28
VCC: C1.2 SW1.4 U1.8@13.3,50 U4.8 U4.16 U5.8 U5.16 | length 113.5
  Top Layer w1: SW1.4 4.95,14.45 4.356,15.044 1.956,15.044 1.3,15.7 1.3,39.2 2.4,40.3 C1.2@5.8,40.3
  Bottom Layer w0.254: C1.2@5.8,40.3 C1.2@5.9,40.4
  Bottom Layer w1: SW1.4 5.55,12.4 7.5,12.4 8.99,10.91 U5.16 13.99,10.802 14.2,10.592 14.2,9.3 15.1,8.4 25.6,8.4 26.3,9.1 U4.16 ; C1.2@5.8,40.3 7.214,40.3 ; U1.8@13.3,50 13.3,43.5 10.1,40.3 7.214,40.3 ; U4.8 33.884,28.676 33.884,29.716 33.2,30.4 22.4,30.4 21.687,29.687 21.687,28.767 U5.8 19.51,28.69 18.2,30 18.2,33.5 16.7,35 9.6,35 7.8,36.8 7.8,39.714 7.214,40.3
pads on no net: B1. B2. H4.7 SW1.1 SW1.2 SW1.3 SW1.6 U2.4 U3. U3.1

## Polygon pours and split planes (outlines as drawn)
GND on Top Layer "GND_L01_P000" (solid, pour order 0): 0,59 100,59 100,0 99.9,0 0,0
GND on Bottom Layer "GND_L02_P001" (solid, pour order 1): 0,59 100,59 100,0 0,0

## Silkscreen, mask and mechanical layers (free items; w line width, h text height)
Top Overlay:
  lines w0.15: 87.302,50.5 89.858,50.5 89.858,53.23 87.302,53.23 87.302,50.5
  lines w0.254: 16.8,56.3 23.4,56.3 ; 25,56.3 31.6,56.3 ; 33.2,56.3 39.8,56.3 ; 60.1,56.3 66.7,56.3 ; 68,56.3 74.6,56.3 ; 76,56.3 82.6,56.3
  text "5V" at 19.4,56.8 h1
  text "GND" at 27.7,56.8 h1
  text "3V3" at 35.8,56.8 h1
  text "5V" at 62.7,56.8 h1
  text "GND" at 71.5,56.8 h1
  text "3V3" at 78.6,56.8 h1
  text "GND" at 67.87,51.57 h0.8
  text "3V3" at 70.57,51.57 h0.8
  text "22" at 73.57,51.57 h0.8
  text "21" at 76.27,51.57 h0.8
  text "TX0" at 67.77,45.97 h0.8
  text "RX0" at 70.47,45.97 h0.8
  text "3V3" at 73.17,45.97 h0.8
  text "GND" at 75.87,45.97 h0.8
  text "NRF24L01" at 95.146,42.554 h1.52 r90
  text "+" at 7.4,26.646 h1.52 r270
  text "+" at 7.5,18.746 h1.52 r270
Mechanical 1:
  lines w0.254: 0,2 ccw(c2,2) 2,0 98,0 ccw(c98,2) 100,2 100,57.1 ccw(c98.1,57.1) 98.1,59 2,59 ccw(c2,57) 0,57 0,2